# Altium PCB HYDRA_V4_ACTUATOR.PcbDoc
Units mm, origin at the board's own origin, x right, y up, seen from the top; angles counter-clockwise.
Board outline 30 x 50 mm, 2 copper layers (Top Layer, Bottom Layer); 99 components, 65 nets, 342 pads, 31 vias.
Unrouted connection lines stored in the file: 207.
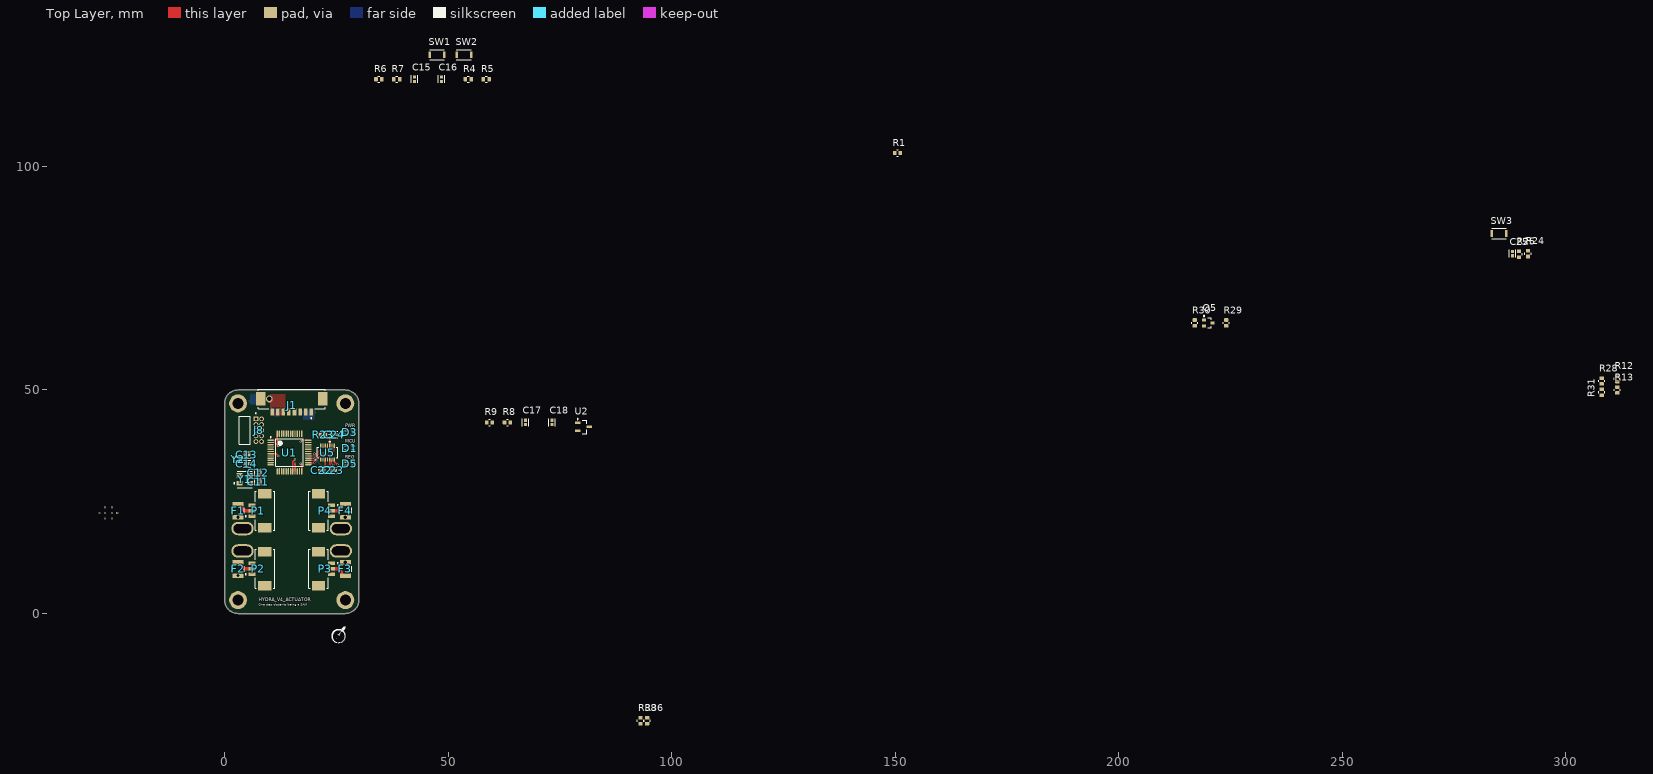
[diagram p0: Top Layer view]
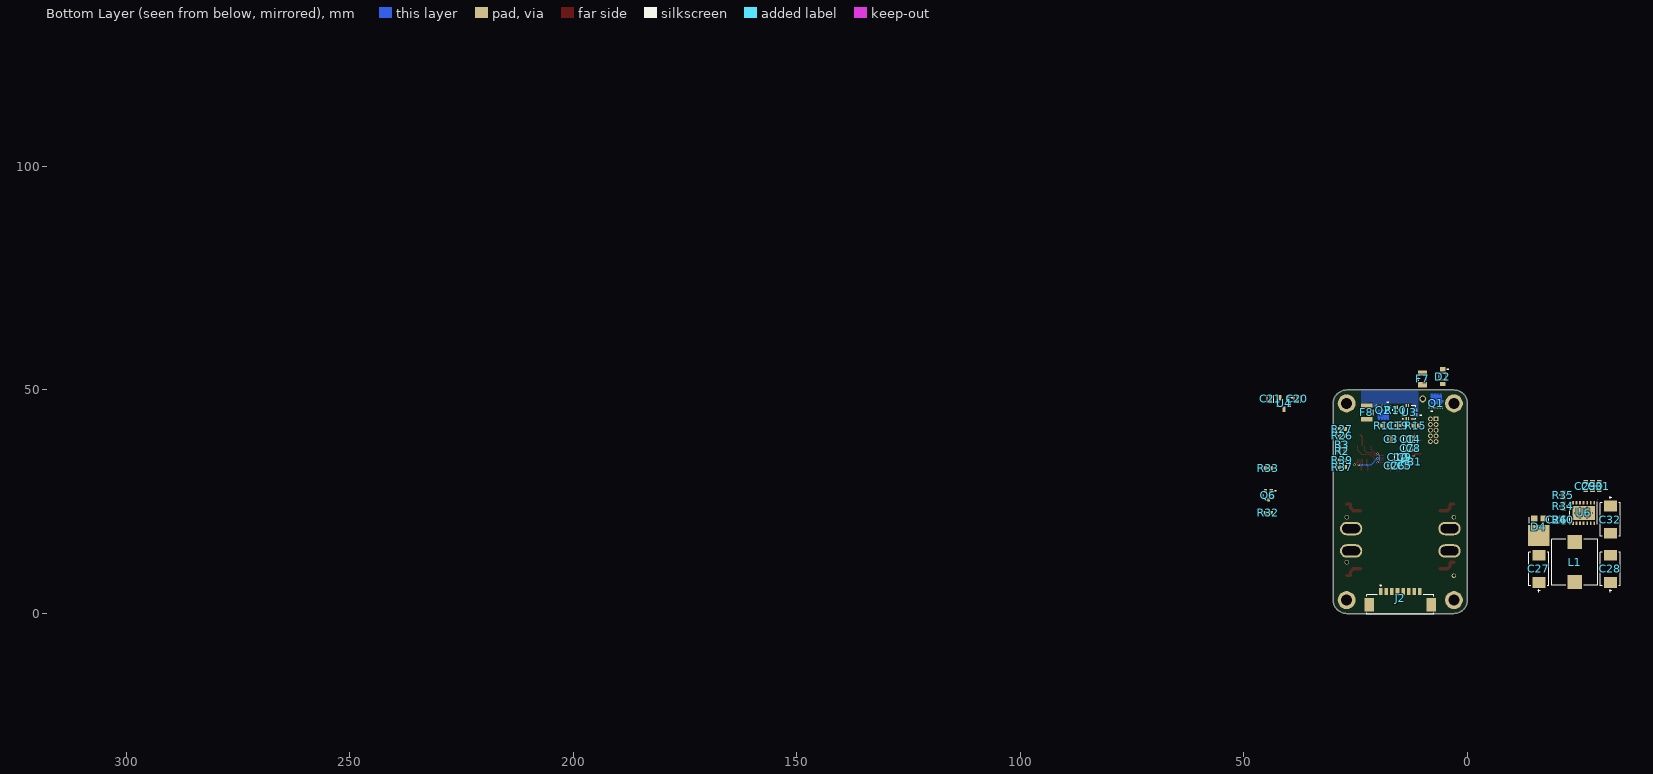
[diagram p1: Bottom Layer view, seen from below]

## Layer stack, top to bottom
Top Solder: solder mask 0.0102, Solder Resist, Dk 3.5
Top Layer: signal copper 0.0356
Dielectric 1: dielectric 0.32, FR-4, Dk 4.8
Bottom Layer: signal copper 0.0356
Bottom Solder: solder mask 0.0102, Solder Resist, Dk 3.5

## Board outline
0,3 0,47 cw(c3,47) 3,50 27,50 cw(c27,47) 30,47 30,3 cw(c27,3) 27,0 3,0 cw(c3,3)

## Design rules (kind name [scope] priority, off if disabled: settings)
BoardOutlineClearance [All] p1: gap=0.2 ignorepadtopadclearanceinfootprint=FALSE
Clearance [All] p1: gap=0.102 ignorepadtopadclearanceinfootprint=FALSE except(0.127: Arc-Via Track-Via SMDPad-Via THPad-Via Via-Via Via-Fill Via-Poly Via-Region Via-Text; 0.25: Arc-Hole Track-Hole SMDPad-Hole THPad-Hole Via-Hole Fill-Hole Poly-Hole Region-Hole Text-Hole)
ComponentClearance [All] p1: gap=0.102 collisioncheckmode=3 verticalgap=0.102 showdistances=TRUE
DiffPairsRouting [All] p1: maxlimit=0.102 minlimit=0.102 mostfreqgap=0.102 toplayer_minwidth=0.102 toplayer_maxwidth=1816.048 toplayer_prefwidth=0.102 bottomlayer_minwidth=0.102 bottomlayer_maxwidth=1816.048 bottomlayer_prefwidth=0.102 maxuncoupledlength=12.7
Height [All] p1: minheight=0 maxheight=1816.048 prefheight=12.7
HoleSize [All] p1: absolutevalues=TRUE maxlimit=6.3 minlimit=0.2 maxpercent=80.000 minpercent=20.000
HoleToHoleClearance [All] p1: gap=0.25 allowstackedmicrovias=FALSE
MinimumAnnularRing [All] p1: minimumring=0.076
MinimumSolderMaskSliver [All] p1: minsoldermaskwidth=0
PlaneClearance [All] p1: clearance=0.102
PlaneConnect PlaneConnectPowerPads [InPadClass('PowerPads')] p1: planeconnectstyle=Direct reliefexpansion=0.508 reliefentries=4 reliefconductorwidth=0.254 reliefairgap=0.254
PlaneConnect [All] p2: pad.planeconnectstyle=Relief pad.reliefexpansion=0.3 pad.reliefentries=4 pad.reliefconductorwidth=0.102 pad.reliefairgap=0.102 via.planeconnectstyle=Direct via.reliefexpansion=0.3 via.reliefentries=4 via.reliefconductorwidth=0.127 via.reliefairgap=0.127
PolygonConnect PolygonConnectPowerPads [All vs (InPadClass('PowerPads'))] p1: connectstyle=Direct reliefconductorwidth=0.254 reliefentries=4 polygonreliefangle="90 Angle" airgapwidth=0.254
PolygonConnect [All] p2: thpad.connectstyle=Relief thpad.reliefconductorwidth=0.102 thpad.reliefentries=4 thpad.polygonreliefangle="90 Angle" thpad.airgapwidth=0.102 smdpad.connectstyle=Relief smdpad.reliefconductorwidth=0.102 smdpad.reliefentries=4 smdpad.polygonreliefangle="90 Angle" smdpad.airgapwidth=0.102 via.connectstyle=Direct via.reliefconductorwidth=0.127 via.reliefentries=4 via.polygonreliefangle="90 Angle" via.airgapwidth=0.127
RoutingVias [All] p1: holewidth=0.2 width=0.45 viastyle="Through Hole" minholewidth=0.2 minwidth=0.45 maxholewidth=6.3 maxwidth=6.55
SilkToSilkClearance [All] p1: silktosilkclearance=0
SilkToSolderMaskClearance [IsPad] p1: minsilkscreentomaskgap=0.102 clearancetoexposedcopper=TRUE
SolderMaskExpansion [All] p1: expansion=0.075 istentingtop=FALSE
Width [All] p1: maxlimit=1816.048 minlimit=0.102 preferedwidth=0.102
20 further rules are at their usual default settings.

## Classes and differential pairs
differential pair class 120DIFF: CAN0
component class PWR_MGMT: C19 C20 C21 C22 C23 C24 C25 D2 D3 F7 F8 Q1 Q2 Q5 Q6 R10 R11 R12 R13 R15 R23 R24 R25 R26 R27 R28 R29 R30 R31 R32 R33 SW3 U3 U4 U5
component class MCU: C1 C2 C3 C4 C5 C6 C7 C8 C9 C10 C11 C12 C13 C14 C15 C16 D1 FB1 J8 R1 R2 R3 R4 R5 R6 R7 SW1 SW2 U1 Y1 Y2
component class INT_REG: C17 C18 R8 R9 U2
component class HYDRA_V4_ACTUATOR: F1 F2 F3 F4 J1 J2 P1 P2 P3 P4
component class ACT_REG: C26 C27 C28 C29 C30 C31 C32 D4 D5 L1 R34 R35 R36 R37 R38 R39 R40 U6
differential pair X: +X_P -X_N
differential pair X32: +X32_P -X32_N
differential pair CAN0: +CAN0_P -CAN0_N

## Components (designator, comment, footprint, x,y, rotation, side; value= is the part's Value field where it differs from the comment)
C1 "4.7u" FP-0402-L_1_0_0_05-W_0_5-IPC_A 13.5,39 r90 bottom
C2 "100n" FP-0402-L_1_0_0_05-W_0_5-IPC_A 17,33 r270 bottom
C3 "100n" FP-0402-L_1_0_0_05-W_0_5-IPC_A 17,39 r90 bottom
C4 "100n" FP-0402-L_1_0_0_05-W_0_5-IPC_A 12,39 r90 bottom
C5 "1u" FP-0402-L_1_0_0_05-W_0_5-IPC_A 14,33 r270 bottom
C6 "100n" FP-0402-L_1_0_0_05-W_0_5-IPC_A 15.5,33 r270 bottom
C7 "1u" FP-0402-L_1_0_0_05-W_0_5-IPC_A 13.5,37 r270 bottom
C8 "100n" FP-0402-L_1_0_0_05-W_0_5-IPC_A 12,37 r270 bottom
C9 "1u" FP-0402-L_1_0_0_05-W_0_5-IPC_A 14,35 r90 bottom
C10 "100n" FP-0402-L_1_0_0_05-W_0_5-IPC_A 15.5,35 r90 bottom
C11 "6.8p" FP-0402-L_1_0_0_05-W_0_5-IPC_A 7.5,29.5 r270 top
C12 "6.8p" FP-0402-L_1_0_0_05-W_0_5-IPC_A 7.5,31.5 r90 top
C13 "18p" FP-0402-L_1_0_0_05-W_0_5-IPC_A 5,35.5 r180 top
C14 "18p" FP-0402-L_1_0_0_05-W_0_5-IPC_A 5,33.5 r180 top
C15 "100n" FP-0402-L_1_0_0_05-W_0_5-IPC_A 42.5,119.5 r90 top
C16 "100n" FP-0402-L_1_0_0_05-W_0_5-IPC_A 48.5,119.5 r90 top
C17 "100n" FP-0402-L_1_0_0_05-W_0_5-IPC_A 67.25,42.75 r90 top
C18 "10u" FP-0402-L_1_0_0_05-W_0_5-IPC_A 73.25,42.75 r90 top
C19 "100n" FP-0402-L_1_0_0_05-W_0_5-IPC_A 15.5,42 r180 bottom
C20 "100n" FP-0402-L_1_0_0_05-W_0_5-IPC_A 38,48 r90 bottom
C21 "10u" FP-0402-L_1_0_0_05-W_0_5-IPC_A 44,48 r90 bottom
C22 "100n" FP-0402-L_1_0_0_05-W_0_5-IPC_A 21.75,32 r0 top
C23 "100n" FP-0402-L_1_0_0_05-W_0_5-IPC_A 24.25,32 r180 top
C24 "100n" FP-0402-L_1_0_0_05-W_0_5-IPC_A 24.5,40 r180 top
C25 "100n" FP-0402-L_1_0_0_05-W_0_5-IPC_A 288,80.521 r90 top
C26 "10n" FP-0402-L_1_0_0_05-W_0_5-IPC_A -20,21 r270 bottom
C27 "10TPC68M" FP-POSCAP-D2-MFG -16,10 r270 bottom
C28 "10TPC68M" FP-POSCAP-D2-MFG -32,10 r270 bottom
C29 "C2012X5R1V156M125AC" FP-C2012-125-0_2-MFG -26.5,28.5 r90 bottom
C30 "C2012X5R1V156M125AC" FP-C2012-125-0_2-MFG -28,28.5 r90 bottom
C31 "C2012X5R1V156M125AC" FP-C2012-125-0_2-MFG -29.5,28.5 r90 bottom
C32 "10TPC68M" FP-POSCAP-D2-MFG -32,21 r90 bottom
D1 "150066RG54050" WL-SBCD_0606 28,37 r90 top
D2 "MMSZ5242BT1G" ONSC-SOD-123-2-425-04_V 5.5,53 r270 bottom
D3 "150066RG54050" WL-SBCD_0606 28,40.5 r90 top
D4 "SS5P10-M3/86A" FP-95570-MFG -16,18.5 r0 bottom
D5 "150066RG54050" WL-SBCD_0606 28,33.5 r90 top
F1 "MF-USMF050-2" FP-MF-USMF-MFG 3,23 r270 top value=0.18-0.9Ω
F2 "MF-USMF050-2" FP-MF-USMF-MFG 3,10 r270 top value=0.18-0.9Ω
F3 "MF-USMF050-2" FP-MF-USMF-MFG 27,10 r90 top value=0.18-0.9Ω
F4 "MF-USMF050-2" FP-MF-USMF-MFG 27,23 r270 top value=0.18-0.9Ω
F7 "0466003.NR" FP-0466-MFG 10,52.5 r270 bottom value=0.019Ω
F8 "MF-USMF050-2" FP-MF-USMF-MFG 22.5,45 r270 bottom value=0.18-0.9Ω
FB1 "BLM15PX601SN1D" FP-BLM15-0_05-MFG 12.5,34 r0 bottom
J1 "53261-0871" FP-532610871-MFG 15,48 r0 top
J2 "53261-0871" FP-532610871-MFG 15,2 r0 bottom
J8 "FTSH-105-01-F-D-RA-K" FTSH-105-01-F-D-RA-K-Footprint-1 7,41 r90 top
L1 "IHLP4040DZER220M11" FP-IHLP-4040DZ-FP_3_124x3-MFG -24,11.5 r270 bottom
P1 "53261-0371" FP-53261-0371-MFG 9,23 r90 top
P2 "53261-0371" FP-53261-0371-MFG 9,10 r90 top
P3 "53261-0371" FP-53261-0371-MFG 21,10 r270 top
P4 "53261-0371" FP-53261-0371-MFG 21,23 r270 top
Q1 "SISH615ADN-T1-GE3" SISH615ADN-T1-GE3-Footprint-1 7.038,47.49 r180 bottom
Q2 "SISH615ADN-T1-GE3" SISH615ADN-T1-GE3-Footprint-1 18.75,45 r0 bottom
Q5 "DMG1013UW-7" DIOD-SOT323-3_V 220,65 r0 top
Q6 "BSS138W-7-F" DIOD-SOT323-3_V 44.5,26.5 r270 bottom
R1 "10k" R0603B 150.5,103 r0 top
R2 "56" R0603B 28,36.25 r180 bottom
R3 "56" R0603B 28,37.75 r180 bottom
R4 "330" R0603B 54.5,119.5 r0 top
R5 "330" R0603B 58.5,119.5 r0 top
R6 "10k" R0603B 34.5,119.5 r0 top
R7 "10k" R0603B 38.5,119.5 r0 top
R8 "100k" R0603B 63.25,42.75 r0 top
R9 "100k" R0603B 59.25,42.75 r0 top
R10 "100k" R0603B 16,45.5 r270 bottom
R11 "10k" R0603B 18.5,42 r180 bottom
R12 "100k" R0603B 311.501,52.5 r90 top
R13 "20k" R0603B 311.5,50 r90 top
R15 "10k" R0603B 11.5,42 r0 bottom
R23 "120" R0603B 22,40 r180 top
R24 "10k" R0603B 291.501,80.5 r90 top
R25 "1k" R0603B 289.5,80.35 r90 top
R26 "56" R0603B 28,39.75 r180 bottom
R27 "1k" R0603B 28,41.25 r180 bottom
R28 "100k" R0603B 308,52 r90 top
R29 "1k" R0603B 224,65 r90 top
R30 "100k" R0603B 217,65 r90 top
R31 "100k" R0603B 308,49.5 r90 top
R32 "1k" R0603B 44.5,22.5 r180 bottom
R33 "100k" R0603B 44.5,32.5 r180 bottom
R34 "TBD" R0603B -21.5,24 r270 bottom
R35 "TBD" R0603B -21.5,26.5 r270 bottom
R36 "100k" R0603B 94.5,-24 r90 top
R37 "330" R0603B 28,32.75 r180 bottom
R38 "100k" R0603B 93,-24 r90 top
R39 "330" R0603B 28,34.25 r180 bottom
R40 "10k" R0603B -21.5,21 r90 bottom
SW1 "KXT331LHS" FP-KXT331LHS-MFG 47.5,125 r0 top
SW2 "KXT331LHS" FP-KXT331LHS-MFG 53.501,125 r0 top
SW3 "KXT331LHS" FP-KXT331LHS-MFG 285,85 r0 top
U1 "STM32G473CET6" TSQFP50P900X900X160-48N 14.501,36 r0 top
U2 "AP7375-33SA-7" SOT90P285X110-3N 80.25,41.75 r0 top
U3 "ACS711KEXLT-15AB-T" ALEG-EX-12_V 13,45 r0 bottom
U4 "AP7375-50SA-7" AP7375-50SA-7-Footprint-1 41,47 r270 bottom
U5 "TCAN1146DYYRQ1" TCAN1146DYYRQ1-Footprint-1 23,36 r90 top
U6 "LM2678SD-5.0/NOPB" NHM0014A_V -26,22.5 r270 bottom
Y1 "ABM8-48.000MHZ-B2-T" FP-ABM8-MFG 4.5,30 r0 top
Y2 "ECS-.327-12.5-1210-TR" FP-ECX-1210-MFG 3,34.5 r270 top

## Footprints (in the part's own frame and the unit in brackets; to place one, negate y for a bottom-side part, rotate by r counter-clockwise, add the part's x,y. Pads: shape width x height; smd on the part's side, far side on the other; paste and mask are expansions set on the pad)
ALEG-EX-12_V [mm] "QFN, 12-Leads, Body 3x3mm, Height 0.8mm"
  rect 0.5x0.3 smd paste-0.5 mask-0.5: 1(-1.348,0.682) 2(-1.348,0.301) 3(-1.348,-0.318) 4(-1.348,-0.699)
  rect 0.3x0.85 smd: 5(0.148,-1.45) 6(0.648,-1.45) 11(0.648,1.45) 12(0.148,1.45)
  rect 0.85x0.3 smd: 7(1.348,-0.75) 8(1.348,-0.25) 9(1.348,0.25) 10(1.348,0.75)
  Top Layer region: -2.002,0.9 -0.702,0.9 -0.702,0.1 -2.002,0.1
  Top Layer region: -2.002,-0.1 -0.702,-0.1 -0.702,-0.9 -2.002,-0.9
  silkscreen extent -2.68,-1.5 1.5,1.5, body extent -1.5,-1.5 1.5,1.5, height 0.81
AP7375-50SA-7-Footprint-1 [mm]
  rect 1.2x0.6 smd: 1(-1.3,0.9) 2(-1.3,-0.9) 3(1.3,0)
  silkscreen extent -1.42,-1.5 0.7,1.87, body extent -0.7,-1.5 0.7,1.5, height 1.1
DIOD-SOT323-3_V [mm] "SOT323, 3-Leads, Body 2.2x1.35mm, Pitch 0.65mm"
  rect 0.9x0.7 smd: 1(-0.95,0.65) 2(-0.95,-0.65) 3(0.95,0)
  silkscreen extent -1.07,-1.1 0.67,1.67, body extent -1.1,-1.1 1.1,1.1, height 1.07
FP-0402-L_1_0_0_05-W_0_5-IPC_A [mm]
  rect 0.715x0.672 smd paste+0 mask+0: 1(-0.479,0) 2(0.479,0)
  silkscreen extent -0.84,-0.74 0.84,0.74, body extent -0.5,-0.25 0.5,0.25, height 0.55
FP-0466-MFG [mil]
  rect 45x80 smd paste+0 mask+0: 1(-52.5,0) 2(52.5,0)
  silkscreen extent -15,-32 15,32, body extent -63,-30 62,30, height 26
FP-53261-0371-MFG [mm]
  rect 0.8x1.6 smd paste+0 mask+0: 1(-1.25,2.9) 2(0,2.9) 3(1.25,2.9)
  rect 2.1x3 smd paste+0 mask+0: 4(-3.8,0) 5(3.8,0)
  silkscreen extent -4.35,-2.2 4.35,4.4, body extent -4.95,-2.3 4.95,3.8, height 0.25
FP-95570-MFG [mm]
  rect 1.4x1.27 smd paste+0 mask+0: 1(1.04,-2.765) 2(-1.04,-2.765)
  rect 4.8x4.72 smd paste+0 mask+0: 3(0,1.04)
  silkscreen extent -2.17,-3.08 2.17,-1.7, body extent -2.3,-3.25 2.3,3.25, height 1.21
FP-532610871-MFG [mm]
  rect 0.8x1.6 smd paste+0 mask+0: 1(4.375,-2.9) 2(3.125,-2.9) 3(1.875,-2.9) 4(0.625,-2.9) 5(-0.625,-2.9) 6(-1.875,-2.9) 7(-3.125,-2.9) 8(-4.375,-2.9)
  rect 2.1x3 smd paste+0 mask+0: 9(-6.925,0) 10(6.925,0)
  silkscreen extent -7.47,-4.4 7.47,2.2, body extent -8.08,-3.8 8.08,2.3, height 0.25
FP-ABM8-MFG [mm]
  rect 1.3x1.05 smd paste+0 mask+0: 1(-1.15,-0.875) 2(1.15,-0.875) 3(1.15,0.875) 4(-1.15,0.875)
  silkscreen extent -2.5,-1.88 1.7,1.88, body extent -1.9,-1.5 1.9,1.5, height 0.25
FP-BLM15-0_05-MFG [mm]
  rect 0.4x0.5 smd paste+0 mask+0: 1(-0.4,0) 2(0.4,0)
  silkscreen extent -0.53,-0.63 0.52,0.63, body extent -0.5,-0.25 0.5,0.25, height 0.55
FP-C2012-125-0_2-MFG [mm]
  rect 0.8x1.05 smd paste+0 mask+0: 1(-0.925,0) 2(0.925,0)
  silkscreen extent -0.15,-0.72 0.15,0.72, body extent -1,-0.63 1,0.63, height 1.45
FP-ECX-1210-MFG [mm]
  rect 0.575x1.14 smd paste+0 mask+0: 1(-0.413,0) 2(0.413,0)
  silkscreen extent -0.65,-0.95 0.65,0.95, body extent -0.8,-0.67 0.8,0.67, height 0.25
FP-IHLP-4040DZ-FP_3_124x3-MFG [mm]
  rect 3.124x3.251 smd paste+0 mask+0: 1(-4.47,0) 2(4.47,0)
  silkscreen extent -5.14,-5.14 5.14,5.14, body extent -5.4,-5.08 5.4,5.08, height 4
FP-KXT331LHS-MFG [mm]
  rect 0.55x1.5 smd paste+0 mask+0: 1(-1.625,0) 2(1.625,0)
  silkscreen extent -1.65,-1.15 1.65,1.15, body extent -2,-1.25 2,1.25, height 0.25
FP-MF-USMF-MFG [mm]
  rect 1x2.5 smd paste+0 mask+0: 1(-1.5,0) 2(1.5,0)
  silkscreen extent -0.63,-1.4 0.63,1.4, body extent -2.1,-1.5 2.1,1.5, height 0.25
FP-POSCAP-D2-MFG [mm]
  rect 2.4x2.9 smd paste+0 mask+0: 1(-3.05,0) 2(3.05,0)
  silkscreen extent -3.75,-2.25 5.23,2.25, body extent -3.65,-2.15 3.65,2.15, height 2
FTSH-105-01-F-D-RA-K-Footprint-1 [mm]
  rect 1.06x1.06 hole 0.71: 01(2.54,0)
  round 1.06 hole 0.71: 02(2.54,-1.27) 03(1.27,0) 04(1.27,-1.27) 05(0,0) 06(0,-1.27) 07(-1.27,0) 08(-1.27,-1.27) 09(-2.54,0) 10(-2.54,-1.27)
  silkscreen extent -3.14,-0.1 3.88,3.78, body extent -3.14,-1.54 3.14,6.92, height 5.04
NHM0014A_V [mm] "SON, 14-Leads, Body 5x6mm, Pitch 0.8mm, Thermal Pad 5x3.2mm, TI Recommend"
  rrect25% 0.8x0.4 smd: 1(-2.3,2.4) 2(-2.3,1.6) 3(-2.3,0.8) 4(-2.3,0) 5(-2.3,-0.8) 6(-2.3,-1.6) 7(-2.3,-2.4) 8(2.3,-2.4) 9(2.3,-1.6) 10(2.3,-0.8) 11(2.3,0) 12(2.3,0.8) 13(2.3,1.6) 14(2.3,2.4)
  rrect3% 3.2x5 smd paste-1.6: 15(0,0)
  silkscreen extent -3,-3.05 2.55,3.1, body extent -2.5,-3 2.5,3, height 1
ONSC-SOD-123-2-425-04_V [mm] "SOD, 2-Leads, Body 2.69x1.6mm"
  rect 0.91x1.22 smd: 1(-1.635,0) 2(1.635,0)
  silkscreen extent -1.76,-0.8 0.78,1.28, body extent -1.35,-0.8 1.35,0.8, height 1.35
R0603B [mm] "Chip Resistor, 0603, 2-Leads, Body 1.58x0.85mm, IPC Medium Density"
  rrect25% 0.8x0.95 smd: 1(-0.65,0) 2(0.65,0)
  silkscreen extent -0.2,-0.7 0.2,0.7, body extent -0.82,-0.48 0.82,0.48, height 0.5
SISH615ADN-T1-GE3-Footprint-1 [mm]
  rect 0.35x0.5 smd paste+0 mask+0: 1(-0.937,-1.4) 2(-0.288,-1.4) 3(0.363,-1.4) 4(1.012,-1.4)
  round 0.025 smd mask+0: 5-6-7-8(0.038,0.51)
  Top Layer region: -1.187,-0.63 -1.187,-0.215 -1.568,-0.215 -1.568,0.215 -1.187,0.215 -1.187,1.35 -1.137,1.35 -1.137,1.65 -0.737,1.65 -0.737,1.35 -0.487,1.35 -0.487,1.65 -0.088,1.65 -0.088,1.35 0.163,1.35 0.163,1.65 0.563,1.65 0.563,1.35 0.813,1.35 0.813,1.65 1.212,1.65 1.212,1.35 1.262,1.35 1.262,0.215 1.643,0.215 1.643,-0.215 1.262,-0.215 1.262,-0.63
  silkscreen extent -1.51,-2.37 1.59,-1.01, body extent -1.51,-1.6 1.59,1.6, height 0.9
SOT90P285X110-3N [mm] "SOT23, 3-Leads, Body 2,95x2,85mm, Pitch 0,90mm, IPC Medium Density"
  rect 1.2x0.6 smd: 1(-1.3,0.9) 2(-1.3,-0.9) 3(1.3,0)
  silkscreen extent -1.42,-1.5 0.7,1.87, body extent -0.7,-1.5 0.7,1.5, height 1.1
TCAN1146DYYRQ1-Footprint-1 [mil]
  rect 38.5x12 smd paste+0 mask+0: 1(-60.75,59.07) 2(-60.75,39.38) 3(-60.75,19.69) 4(-60.75,0) 5(-60.75,-19.69) 6(-60.75,-39.38) 7(-60.75,-59.07) 8(60.75,-59.07) 9(60.75,-39.38) 10(60.75,-19.69) 11(60.75,0) 12(60.75,19.69) 13(60.75,39.38) 14(60.75,59.07)
  silkscreen extent -47,-90 100,90, body extent -66,-84 66,84, height 43
TSQFP50P900X900X160-48N [mm] "TSQFP, 48-Leads, Body 7.00x7.00mm, Pitch 0.50mm, IPC Medium Density"
  oval 1.45x0.3 smd: 1(-4.225,2.75) 2(-4.225,2.25) 3(-4.225,1.75) 4(-4.225,1.25) 5(-4.225,0.75) 6(-4.225,0.25) 7(-4.225,-0.25) 8(-4.225,-0.75) 9(-4.225,-1.25) 10(-4.225,-1.75) 11(-4.225,-2.25) 12(-4.225,-2.75) 25(4.225,-2.75) 26(4.225,-2.25) 27(4.225,-1.75) 28(4.225,-1.25) 29(4.225,-0.75) 30(4.225,-0.25) 31(4.225,0.25) 32(4.225,0.75) 33(4.225,1.25) 34(4.225,1.75) 35(4.225,2.25) 36(4.225,2.75)
  oval 0.3x1.45 smd: 13(-2.75,-4.225) 14(-2.25,-4.225) 15(-1.75,-4.225) 16(-1.25,-4.225) 17(-0.75,-4.225) 18(-0.25,-4.225) 19(0.25,-4.225) 20(0.75,-4.225) 21(1.25,-4.225) 22(1.75,-4.225) 23(2.25,-4.225) 24(2.75,-4.225) 37(2.75,4.225) 38(2.25,4.225) 39(1.75,4.225) 40(1.25,4.225) 41(0.75,4.225) 42(0.25,4.225) 43(-0.25,4.225) 44(-0.75,4.225) 45(-1.25,4.225) 46(-1.75,4.225) 47(-2.25,4.225) 48(-2.75,4.225)
  silkscreen extent -4.35,-3.1 3.1,3.57, body extent -3.5,-3.5 3.5,3.5, height 1.6
WL-SBCD_0606 [mm] "SMT Bi-color Chip LED Diffuesed, body 1.5x1.6mm"
  rect 0.5x0.8 smd: 1(-0.45,0.8) 2(-0.45,-0.8) 3(0.45,-0.8) 4(0.45,0.8)
  silkscreen extent -0.07,1.47 0.07,1.62, body extent -0.75,-0.8 0.75,0.8, height 0.55

## Part data
C1 C2 C3 C4 C5 C6 C7 C8 C9 C10 C11 C12 C13 C14 C15 C16 C17 C18 C19 C20 C21 C22 C23 C24 C25 C26: library part CMP-001-00058-1, "LARGE PADS, 0402 CAP, CHANGE COMMENT TO MATCH REAL P/N", Capacitor Type=Ceramic, Case/Package=0402, Max Operating Temperature=85°C, Min Operating Temperature=-55°C, Mounting Technology="Surface Mount", Pins=2, RoHS Compliant=Yes
C27 C28 C32: library part CMP-05428-000598-1, "Molded Tantalum Polymer Capacitor 68uF 20% 10V life 2000Hours SMD 2917", Capacitance=68uF, Case Code (Imperial)=2917, Case Code (Metric)=7343, ESR (Equivalent Series Resistance)=45mR, Leakage Current=68uA, Max Operating Temperature=105°C, Min Operating Temperature=-55°C, Package Quantity=3000, Ripple Current=1.7A, Tolerance=20%, Voltage=10V, Case/Package=2917, Construction=Flat, Depth=4.3mm, Dissipation Factor=10%, Features="General Purpose", Height=1.9mm, Height - Seated (Max)=0.079inch, Lead Free="Lead Free", Length=7.3mm, Material=Polymer, Mount="Surface Mount", Number of Pins=2, Packaging="Tape and Reel", Polarity=Polar, Radiation Hardening=No, REACH SVHC="No SVHC", RoHS Compliant=Yes, Series="POSCAP™ TPC", Termination=SMD/SMT, Voltage Rating=10V, Voltage Rating (DC)=10V, Width=4.3mm
C29 C30 C31: library part CMP-08246-005496-1, "Multilayer Ceramic Capacitors 15μF ±20% 35V X5R SMD 0805", Capacitance=15uF, Case Code (Imperial)=0805, Case Code (Metric)=2012, Dielectric=X5R, Dielectric Material=Ceramic, Max Operating Temperature=85°C, Min Operating Temperature=-55°C, Package Quantity=2000, Tolerance=20%, Voltage Rating=35V, Case/Package=0805, Height=1.25mm, Lead Free="Lead Free", Length=0.079inch, Mount="Surface Mount", Packaging="Tape and Reel", Resistor Type=Ceramic, RoHS Compliant=Yes, Series=C, Termination=SMD/SMT, Thickness=0.057inch, Voltage Rating (DC)=35V, Width=0.049inch
D1 D3 D5: library part CMP-004-00040-2, "Led, Red/Grn, 180Mcd/230Mcd, 624Nm/525Nm Rohs Compliant: Yes", Component Type=Standard, Design Item ID=CMP-004-00034-2, Pins=4, Source=rgled.SchLib
D2: library part CMP-1060-00565-1, "Zener Voltage Regulator, 500 mW, 2-Pin SOD-123, Pb-Free, Tape and Reel", Manufacturer="On Semiconductor", ComponentLink1Description="Manufacturer URL", ComponentLink1URL=http://www.onsemi.com/, ComponentLink2Description=Datasheet, ComponentLink2URL=http://www.onsemi.com/pub_link/Collateral/MMSZ5221BT1-D.PDF, ComponentLink3Description="Package Specification", ComponentLink3URL=http://www.onsemi.com/pub_link/Collateral/425-04.PDF, DatasheetVersion="Rev. 12", Mounting Technology="Surface Mount", P Max (W)=0.5, PackageDescription="2-Pin SOD, Body 1.6 x 2.69 mm", PackageReference=SOD-123-2-425-04, PackageVersion="Rev. G, 10/2009", Packing="Tape and Reel", PartNumber=MMSZ5242BT1G, RoHS=Pb-Free, VZ Typ (V)=12
D4: library part CMP-02539-000057-1, "DIODE SCHOTTKY 100V 5A TO277A", Average Rectified Current=5A, Case/Package=TO-277A, Forward Voltage=880mV, Max Forward Surge Current (Ifsm)=150A, Max Operating Temperature=150°C, Max Repetitive Reverse Voltage (Vrrm)=100V, Max Reverse Current=15uA, Min Operating Temperature=-55°C, Package Quantity=1500, Element Configuration="Common Cathode", Forward Current=5A, Height=0.031inch, Lead Free="Lead Free", Length=0.242inch, Max Reverse Leakage Current=15uA, Max Reverse Voltage (DC)=100V, Max Surge Current=150A, Mount="Surface Mount", Number of Pins=3, Packaging="Tape and Reel", Peak Non-Repetitive Surge Current=150A, Radiation Hardening=No, RoHS Compliant=Yes, Series=eSMP®, Width=0.171inch
F1 F2 F3 F4 F8: library part CMP-07400-000020-1, "PTC RESET FUSE 13.2V 500MA 1210", Ambient Temperature Range High=+85°C, Ambient Temperature Range Low=-40°C, Current Rating=40A, Hold Current=0.5A, Manufacturer="Bourns Inc.", Package=MF-USMF, Resistance=0.18-0.9Ω, Temperature="-40°C to +85°C", Trip Current=1A, Voltage Rating=13.2V, Automotive=Yes, Automotive Grade="Grade 3", Category=Fuse, ComponentLink2Description=Datasheet, ComponentLink2URL=https://www.bourns.com/docs/Product-Datasheets/mfusmf.pdf, Device Class L1="Circuit Protection", Device Class L2="PTC Resettable Fuses", Device Class L3=unset, Digikey Description="PTC RESET FUSE 13.2V 500MA 1210", Height=0.85mm, Ipc Land Pattern Name=CAPC321258X70, Lead Free=Yes, Manufacturer Part Number=MF-USMF050-2, Mouser Description="Resettable Fuses - PPTC 0.50A 13.2V 0.18ohm Hold .5A Trip 1A", Octopart=https://octopart.com/mf-usmf050-2-bourns-97645, RoHS=TRUE, Temperature Range High=+85°C, Temperature Range Low=-40°C, Trip Time=0.1s
F7: library part CMP-08605-000054-1, "FUSE BOARD MNT 3A 32VAC/VDC 1206", Fuse Current=3A, Fuse Interrupt Ac Current=50A, Fuse Voltage Drop=75.99mV, Manufacturer=Littelfuse, Max Fuse Ac Voltage=32V, Package=0466, Resistance=0.019Ω, Temperature="-55°C to +90°C", Temperature Range High=+90°C, Temperature Range Low=-55°C, Automotive=No, Category=Fuse, ComponentLink2Description=Datasheet, ComponentLink2URL=https://www.littelfuse.com/~/media/electronics/datasheets/fuses/littelfuse_fuse_466_datasheet.pdf.pdf, Device Class L1="Circuit Protection", Device Class L2=Fuses, Device Class L3=unset, Digikey Description="FUSE BOARD MNT 3A 32VAC/VDC 1206", Fuse Blow Speed=Fast, Fuse I2T=0.576A2Sec, Fuse Interrupt Dc Current=50A, Height=0.66mm, Lead Free=Yes, Manufacturer Part Number=0466003.NR, Max Fuse Dc Voltage=32V, Mouser Description="Surface Mount Fuses 32V 3A VFA Slimline", Octopart=https://octopart.com/0466003.nr-littelfuse-565175, RoHS=TRUE, Voltage Rating=32V
FB1: library part CMP-0686-00252-4, "Chip Ferrite Bead, 0402, 600Ω @ 100MHz, 0.23Ω, 25%, 900mA", Case Code (Imperial)=0402, Case Code (Metric)=1005, Current Rating=900mA, DC Resistance (DCR)=230mR, Max Operating Temperature=125°C, Min Operating Temperature=-55°C, Package Quantity=10000, Test Frequency=100MHz, Tolerance=25%, Case/Package=0402, Height=0.5mm, Impedance=600R, Lead Free="Lead Free", Length=1mm, Material=Steel, Max Current Rating=900mA, Max DC Current=900mA, Number of Circuits=1, Number of Lines=1, Number of Pins=2, Packaging="Tape and Reel", Termination=SMD/SMT, Width=0.5mm
J1 J2: library part CMP-002-00053-1, "Board Connector, 8 Contact(s), 1 Row(s), Male, Right Angle, 0.049 inch Pitch, Surface Mount Terminal, Locking, Natural Insulator, Receptacle", Max Operating Temperature=85°C, Min Operating Temperature=-40°C, Connector Type="BOARD CONNECTOR", Mounting Technology=Board, RoHS Compliant=Yes
J8: library part CMP-002-00041-5, "Board Connector, 10 Contact(s), 2 Row(s), Male, Right Angle, 0.05 inch Pitch, Surface Mount Terminal, Locking, Black Insulator", Connector Type="BOARD CONNECTOR", Mounting Technology=Board, RoHS Compliant=Yes
L1: library part CMP-02424-000785-1, "Commercial Inductors, Low DCR Series 22uH 5A 66mΩ 20%", Case/Package=4040, Current Rating=5A, DC Resistance (DCR)=66mR, Inductance=22uH, Inductance Tolerance=20%, Max DC Current=4.5A, Max Operating Temperature=125°C, Min Operating Temperature=-55°C, Package Quantity=1, Self Resonant Frequency=1MHz, Test Frequency=100kHz, Contact Plating=Tin, Core Material=Metal, Depth=10.3mm, Height=4mm, Height - Seated (Max)=0.157inch, Lead Free="Lead Free", Length=0.43inch, Military Standard=Not, Mount="Surface Mount", Packaging="Tape and Reel", Radiation Hardening=No, Rated Current-Max=5A, RMS Current (Irms)=5A, RoHS Compliant=Yes, Saturation Current=4.5A, Series=IHLP-4040DZ-11, Shielding=Shielded, Termination=SMD/SMT, Tolerance=20%, Width=0.405inch
P1 P2 P3 P4: library part CMP-04776-000071-1, "CONN HEADER SMD R/A 3POS 1.25MM", Ambient Temperature Range High=+105°C, Ambient Temperature Range Low=-40°C, Current Rating=1A, Manufacturer=Molex, Package=0, Temperature="-40°C to +105°C", Voltage Rating=125V, Automotive=No, Category=Conn, ComponentLink2Description=Datasheet, ComponentLink2URL=https://www.molex.com/webdocs/datasheets/pdf/en-us/0532610371_PCB_HEADERS.pdf, Conn Gender=Male, Conn Orientation="Right Angle", Contact Material=Tin,Nickel, Device Class L1=Connectors, Device Class L2="Headers and Wire Housings", Device Class L3=unset, Digikey Description="CONN HEADER SMD R/A 3POS 1.25MM", Footprint Url=https://www.molex.com/pdm_docs/sd/532610371_sd.pdf, Height=3.6mm, Lead Free=Yes, Manufacturer Part Number=53261-0371, Mouser Description="1.25mm (.049\") Pitch PicoBlade Header, Surface Mount, Right Angle, Lead-free, 3 Circuits", Number Of Contacts=3, Number Of Rows=1, Octopart=https://octopart.com/53261-0371-molex-655314, Pitch=1.25mm, RoHS=TRUE, Temperature Range High=+105°C, Temperature Range Low=-40°C
Q1 Q2: library part CMP-013-00018-2, "Trans MOSFET P-CH 20V 22.1A 8-Pin PowerPAK 1212 EP T/R", Component Type=Standard, Design Item ID=CMP-013-00036-4, Pins=5, Source=SISH615ADN-T1-GE3.SchLib
Q5: library part CMP-2000-06170-1, "P-Channel Enhancement Mode MOSFET, 310 mW, 20 V, -55 to 150 degC, 3-Pin SOT-323, RoHS, Tape and Reel", Drain-Source On Resistance-Max=750mO, Drain-to-Source Voltage [Vdss]=20V, Manufacturer="Diodes Inc", Package Description="3-Pin Small Outline Transistor, Body 2 x 1.25 mm, Pitch 0.65 mm", Package Reference=SOT323, Rated Power Dissipation=310mW, Channel Type=P-Channel, Datasheet URL=http://www.diodes.com/_files/datasheets/ds31861.pdf, Datasheet Version="Rev. 3-2, 09/2013", Manufacturer URL=http://www.diodes.com/, Mounting Technology=SurfaceMount, Qg Gate Charge=0.622nC
Q6: library part CMP-2000-05968-1, "N-Channel Enhancement Mode Mosfet, 50 V, 200 mA, -55 to 150 degC, 6-Pin SOT-323, RoHS, Tape and Reel", Id - Continuous Drain Current=200mA, Manufacturer=DiodesIncorporated, Maximum Operating Temperature=+150C, Minimum Operating Temperature=-55C, Package / Case=SOT-323-3, Package Description="3-Pin Small Outline Transistor, Body 2 x 1.25 mm, Pitch 0.65 mm", Package Reference=SOT323, Pd - Power Dissipation=200mW, Rds On - Drain-Source Resistance=1.4Ohms, Vds - Drain-Source Breakdown Voltage=75V, Vgs - Gate-Source Voltage=20V, Brand=DiodesIncorporated, Channel Mode=Enhancement, Configuration=Single, Datasheet URL=http://www.diodes.com/_files/datasheets/ds30206.pdf, Datasheet Version="Rev. 11-2, 09/2013", Factory Pack Quantity=3000, Forward Transconductance - Min=0.1S, Height=1mm, Length=2.2mm, Manufacturer URL=http://www.diodes.com/, Mounting Style=SMD/SMT, Mounting Technology=SurfaceMount, Number Of Channels=1Channel, Packaging=Reel, Product=MOSFETSmallSignal, Product Category=MOSFET, RoHS=True, Series=BSS138, Technology=Si, Transistor Polarity=N-Channel, Transistor Type=1N-Channel, Type=EnhancementModeFieldEffectTransistor, Typical Turn-Off Delay Time=20ns, Typical Turn-On Delay Time=20ns, Unit Weight=0.000212oz, Width=1.35mm
R1 R2 R3 R4 R5 R6 R7 R8 R9 R10 R11 R12 R13 R15 R23 R24 R25 R26 R27 R28 R29 R30 R31 R32 R33 R34 R35 R36 R37 R38 R39 R40: library part CMP-009-00002-14, "Resistor"
SW1 SW2 SW3: library part CMP-10040-000029-1, "SWITCH TACTILE SPST-NO 0.02A 15V", Current Rating=5A, Flammability Rating="UL94 V-0", Insulation Color=Black, Max Operating Temperature=85°C, Min Operating Temperature=-40°C, Operating Force=240gf, Actuator Type=Standard, Connector Type=USB, Contact Plating=Gold, Gender=Receptacle, Illumination Type=Non-Illuminated, Mechanical Life=500000Cycles, Mount="Surface Mount", Number Of Contacts=24, Number of Ports=1, Packaging="Tape and Reel", Switch Function=Off-Mom, Switch Travel=0.13mm, Termination=Solder, Throw Configuration=SPST
U1: library part CMP-020-00018-2, "RISC Microcontroller, 32-Bit, 170MHz", RoHS Compliant=Yes
U2: library part CMP-019-00039-1, "LDO Regulator Pos 3.3V 0.3A 3-Pin SOT-23 T/R"
U3: library part CMP-1557-00001-1, "Hall Effect Linear Current Sensor with Overcurrent Fault Output for <100 V Isolation Applications, 3 to 5.5 V, -15.5 to 15.5 A IP, -40 to 125 degC, 12-Pin QFN (EX), RoHS, Tape and Reel", Temperature Max="125 degC", Temperature Min="-40 degC", -3dB Bandwidth="0.1 MHz", ComponentLink1Description="Manufacturer URL", ComponentLink1URL=http://www.allegromicro.com/, ComponentLink2Description=Datasheet, ComponentLink2URL=http://www.allegromicro.com/~/media/Files/Datasheets/ACS711-Datasheet.ashx?la=en, ComponentLink3Description="Package Specification", ComponentLink3URL=http://www.allegromicro.com/~/media/Files/Datasheets/ACS711-Datasheet.ashx?la=en, DatasheetVersion="Rev. 3", IP Max="15.5 A", IP Min="-15.5 A", Mounting Technology="Surface Mount", PackageDescription="12-Pin Quad Flat No-Lead, Body 3 x 3 mm, Height 0.8 mm", Packing="Tape and Reel", PartNumber=ACS711KEXLT-15AB-T, RoHS=TRUE, VCC Max="5.5 V", VCC Min="3 V"
U4: library part CMP-019-00041-1, "Ldo Cmos Lowcurr SOT23 T&r 3K"
U5: library part CMP-318-000000-2, "Automotive CAN FD transceiver with watchdog, bus diagnostics and partial networking via sele 14-SOT-23-THIN -40 to 150", Component Type=Standard, Design Item ID=CMP-015-00012-2, Pin Count=14, Source=TCAN1146DYYRQ1.SchLib
U6: library part CMP-0069-01082-3, "SIMPLE SWITCHER® High Efficiency 5A Step-Down Voltage Regulator, 14-pin LLP, Pb-Free", Manufacturer="Texas Instruments", PackageTopMarking=NS*UZXYTT*S0003DB, PowerWise=N, ComponentLink1Description="Datasheet URL", ComponentLink1URL=http://www.ti.com/general/docs/lit/getliterature.tsp?genericPartNumber=LM2678&fileType=pdf, CompType=Switcher, PackageDescription="LLP, Plastic, Dual, 6 x 5 x 1mm Body, 14 Lead, 0.8mm Pitch, No Pullback", PackageReference=NHM0014A, PinCount=14, RoHS=Y
Y1: library part CMP-27762-011708-1, "Crystal 48MHz ±20ppm 18pF SMD-4 3.2mm x 2.5mm", Case/Package=CSMD, ESR (Equivalent Series Resistance)=35R, Frequency=48MHz, Frequency Stability=50ppm, Frequency Tolerance=20ppm, Load Capacitance=18pF, Max Operating Temperature=70°C, Min Operating Temperature=-20°C, Operating Frequency="48 MHz", Package Quantity=1000, Resistor Type=Ceramic, Depth=2.5mm, Height=0.031inch, Lead Free="Lead Free", Length=3.2mm, Mount="Surface Mount", Number of Pins=4, Packaging="Tape and Reel", Radiation Hardening=No, REACH SVHC="No SVHC", RoHS Compliant=Yes, Series=ABM8, Series Resistance=35R, Termination=SMD/SMT, Tolerance=20ppm, Width=0.098inch
Y2: library part CMP-40224-000006-1, "CRYSTAL 32.7680KHZ 12.5PF SMD", Frequency=32.768kHz, Load Capacitance=12.5pF, Manufacturer="ECS International", Package=ECX-1210, Temperature="-40°C to +85°C", Temperature Range High=+85°C, Temperature Range Low=-40°C, Tolerance=20ppm, Automotive=No, Category=Crys, ComponentLink2Description=Datasheet, ComponentLink2URL=https://ecsxtal.com/store/pdf/ECX-1210.pdf, Device Class L1="Passive Components", Device Class L2="Crystals / Oscillators", Device Class L3=Crystals, Digikey Description="CRYSTAL 32.7680KHZ 12.5PF SMD", Esr=90kΩ, Height=0.5mm, Lead Free=Yes, Manufacturer Part Number=ECS-.327-12.5-1210-TR, Octopart=https://octopart.com/ecs-.327-12.5-1210-tr-ecs+international-81221340, RoHS=TRUE, Series=ECX-1210

## Free pads (board coordinates)
  oval 5x3 hole 2 slot 4 at 0 deg: 2(4,14) 2(4,19) 2(26,14) 2(26,19)
  round 4 hole 2.5: 3(3,3) 3(3,47) 3(27,3) 3(27,47)

## Via types
v1: diameter 0.5, hole 0.3, Top Layer to Bottom Layer, 18 vias
v2: diameter 0.5, hole 0.2, Top Layer to Bottom Layer, 8 vias
v3: diameter 1, hole 0.75, Top Layer to Bottom Layer, 4 vias
v4: diameter 1.5, hole 1, Top Layer to Bottom Layer, 1 vias

## Nets (pads, with @x,y where several pads share a name; then routed paths per layer and width w, separated by ;. In a path a pad name is that pad's centre, name@x,y a point inside that pad or via, vN(x,y) a via of type N, cw(c..) or ccw(c..) an arc to the next point about the centre after c; other vN are vias at no path point)
3V3: C1.1 C2.1 C3.1 C4.1 C7.1 C8.1 C15.2 C18.2 C19.1 C23.2 FB1.1 J8.01 R1.2 R2.2 R3.2 R7.1 R8.2 R11.2 R26.2 R39.2 SW1.2 U1.1 U1.24 U1.36 U1.48 U2.2 U3.12 U5.5 | length 10.5
  Top Layer w0.3: U1.1 11.154,38.75 11.35,38.554 11.35,38.15 v1(12,37.5) ; U1.48 11.751,38.804 12,38.554 v1(12,38.5) ; v1(17,33.5) 17,33.446 17.251,33.195 U1.24 ; v1(17,38.5) 17.054,38.5 17.305,38.75 U1.36 ; U5.5 23.5,33.263 23.771,32.991 C23.2
3V3_V_SENSE: R8.1 R9.2
5V_INT: C21.2 C22.2 R28.2 U4.2 U5.3 | length 2.6
  Top Layer w0.3: C22.2 22.229,32.979 22.5,33.25 U5.3
5V_ON_nOFF: D5.4 R40.1 U6.8
ACT_I_SENSE: U3.11
ACT_V_SENSE: R12.1 R13.2
BOOT: C15.1 R4.1 R6.2 U1.45
CAN0_N: J1.1 J2.1 R23.1 U5.12
CAN0_P: J1.2 J2.2 R23.2 U5.13
CAN_INH: R29.2 R32.2 U5.7 | length 1.5
  Top Layer w0.3: U5.7 24.503,34.455 24.503,33.997 v1(25.25,33.25)
GND: C1.2 C2.2 C3.2 C4.2 C5.2 C6.2 C7.2 C8.2 C9.2 C10.2 C11.2 C12.2 C13.2 C14.2 C16.2 C17.1 C18.1 C19.2 C20.1 C21.1 C22.1 C23.1 C24.1 C25.1 C27.1 C28.1 C29.2 C30.2 C31.2 C32.1 D3.1 D3.4 D4.1 D4.2 D5.1 J1.3 J1.4 J1.5 J1.9 J1.10 J2.3 J2.4 J2.5 J2.9 J2.10 J8.03 J8.05 P1.3 P1.4 P1.5 P2.3 P2.4 P2.5 P3.3 P3.4 P3.5 P4.3 P4.4 P4.5 pad.3@27,3 Q6.2 R6.1 R9.1 R13.1 R15.1 R31.1 R33.1 R35.1 R38.1 SW2.2 SW3.2 U1.19 U1.23 U1.35 U1.47 U2.3 U3.5 U3.7 U3.8 U3.9 U3.10 U4.3 U5.2 U6.9 U6.15 Y1.2 Y1.4
  other v2: -26.787,21.23 -25.213,21.23 -28,22.5 -26.787,22.5 -25.213,22.5 -24,22.5 -26.787,23.77 -25.213,23.77
INT_5V: R40.2
INT_5V_SENSE: R28.1 R31.2
M2_I_nFAULT: R11.1 U3.6
MCU_G_LED: D1.1
MCU_R_LED: D1.4
nBOARD_ENABLE: Q2.4 Q6.3 R10.2
NetC17_2: C17.2 C29.1 C30.1 C31.1 C32.2 Q2.5-6-7-8 R12.2 U2.1 U6.2 U6.3
NetC25_2: C25.2 R24.1 R25.1 SW3.1
NetC26_1: C26.1 U6.4
NetC26_2: C26.2 D4.3 L1.1 U6.12 U6.13 U6.14
NetD1_2: D1.2 R2.1
  other v1: 28.8,36.55
NetD1_3: D1.3 R3.1
  other v1: 28.8,37.45
NetD2_1: D2.1 Q1.1 Q1.2 Q1.3 U3.1 U3.2
NetD2_2: D2.2 Q1.4 R15.2
NetD3_2: D3.2 R26.1
  other v1: 28.8,40.05
NetD3_3: D3.3 R27.1
  other v1: 28.8,40.95
NetD5_2: D5.2 R37.1
  other v1: 28.8,33.05
NetD5_3: D5.3 R39.1
  other v1: 28.8,33.95
NetF1_1: F1.1 P1.2 | length 4.2
  Top Layer w0.75: F1.1 3.75,24.5 3.875,24.375 3.875,23.625 4.5,23 P1.2
NetF2_1: F2.1 P2.2 | length 4.2
  Top Layer w0.75: F2.1 3.75,11.5 3.875,11.375 3.875,10.625 4.5,10 P2.2
NetF3_1: F3.1 P3.2 | length 4.2
  Top Layer w0.75: P3.2 25.5,10 26.125,9.375 26.125,8.625 26.25,8.5 F3.1
NetF4_1: F4.1 P4.2 | length 4.2
  Top Layer w0.75: P4.2 25.5,23 26.125,23.625 26.125,24.375 26.25,24.5 F4.1
NetF7_2: F7.2 Q1.5-6-7-8
NetF8_1: F8.1 pad.3@27,47 Q2.1 Q2.2 Q2.3 R10.1 U3.3 U3.4
NetQ5_1: Q5.1 R29.1 R30.1
NetQ5_3: Q5.3 R27.2
NetQ6_1: Q6.1 R32.1 R33.2
NetR4_2: R4.2 SW1.1
NetR5_2: R5.2 SW2.1
NetR25_2: R25.2 U5.9
PWM_0: P1.1
PWM_1: P2.1
PWM_2: P3.1
PWM_3: P4.1
PWR_IN: F7.1 J1.6 J1.7 J1.8 J2.6 J2.7 J2.8
  other v4: 10,48
REG_FB: R34.1 R35.2 U6.7
REG_OUT: C27.2 C28.2 F1.2 F2.2 F3.2 F4.2 L1.2 R34.2 R36.2 R37.2
  other v3: 3,8.5 27,11.5 3,21.5 27,21.5
REG_V_SENSE: R36.1 R38.2
RESETN: C16.1 J8.10 R5.1 R7.2 U1.7 | length 1.9
  Top Layer w0.3: U1.7 11.5,35.75 v1(12,35.25)
SPI2_MISO: U1.28 U5.6 | length 7.6
  Top Layer w0.2: U1.28 v1(20.1,34.75) ; U5.6@24,34.457 24,33.581 24.3,33.281 v1(24.3,33.241)
  Bottom Layer w0.2: v1(20.1,34.75) 21.65,33.2 24.259,33.2 v1(24.3,33.241)
SPI2_MOSI: U1.29 U5.11 | length 5.8
  Top Layer w0.2: U1.29 20.65,35.25 21.4,36 22.5,36 23,36.5 U5.11
SPI2_nCS: U1.26 U5.14 | length 6.4
  Top Layer w0.2: U1.26 v1(20.1,33.75) ; v1(20.1,35.754) 20.112,35.766 20.466,35.766 21.447,36.747 21.447,37.491 U5.14
  Bottom Layer w0.2: v1(20.1,33.75) 19.6,34.25 19.6,35.254 v1(20.1,35.754)
SPI2_SCLK: U1.27 U5.8 | length 7.7
  Top Layer w0.2: U1.27 20.35,34.25 21.6,35.5 23.5,35.5 24.5,36.5 U5.8
SWCLK: J8.04 R1.1 U1.38
SWDIO: J8.02 U1.37
SWO: J8.06 U1.40
TCAN1146_RX: U5.4
TCAN1146_TX: U5.1
TCAN_VCC: C20.2 C24.2 F8.2 Q5.2 R24.2 R30.2 U4.1 U5.10 | length 2.7
  Top Layer w0.3: U5.10 23.5,39.5 24,40 C24.2
VDDA: C5.1 C6.1 C9.1 C10.1 FB1.2 U1.20 U1.21 | length 4.7
  Top Layer w0.3: U1.20 15.251,34.001 v1(15.75,34.5) ; U1.21 v1@15.751,33.499
  other v1: 15.75,33.5
X32_N: C14.1 U1.4 Y2.2
X32_P: C13.1 U1.3 Y2.1
X_N: C11.1 U1.6 Y1.1
X_P: C12.1 U1.5 Y1.3
pads on no net: J8.07 J8.08 J8.09 U1.2 U1.8 U1.9 U1.10 U1.11 U1.12 U1.13 U1.14 U1.15 U1.16 U1.17 U1.18 U1.22 U1.25 U1.30 U1.31 U1.32 U1.33 U1.34 U1.39 U1.41 U1.42 U1.43 U1.44 U1.46 U6.1 U6.5 U6.6 U6.10 U6.11

## Polygon pours and split planes (outlines as drawn)
PWR_IN on Top Layer "PWR_IN_L01_P000" (solid, pour order 0): 10.225,49 10.225,44.3 13.525,44.3 13.525,49
NetF8_1 on Bottom Layer "NETF8_1_L02_P001" (solid, pour order 1): 10.998,45.1 11,45.102 11,50 23.75,50 23.75,46.15 17.637,46.15 17.637,47 12.298,47 12.298,45.1

## Silkscreen, mask and mechanical layers (free items; w line width, h text height)
Top Overlay:
  region: 980 vertices and 2 holes, not listed, extent 23.92,-6.598 27.006,-2.879
  text "PWR" at 27,41.65 h0.75
  text "MCU" at 27,38.15 h0.75
  text "REG" at 27,34.65 h0.75
  text "HYDRA_V4_ACTUATOR" at 7.65,2.775 h0.75
  text "One step closer to being a SAM" at 7.6,1.767 h0.5
Mechanical 1:
  the board outline again, w0.15

## Text inside footprints (layer, text, board x,y; h text height)
U5: Top 3D Body "*" at 22.2,35.009 h1.27 r90; Top Overlay "*" at 21.322,33.885 h1.27 r90